# KiCad board VNA.kicad_pcb (continued)
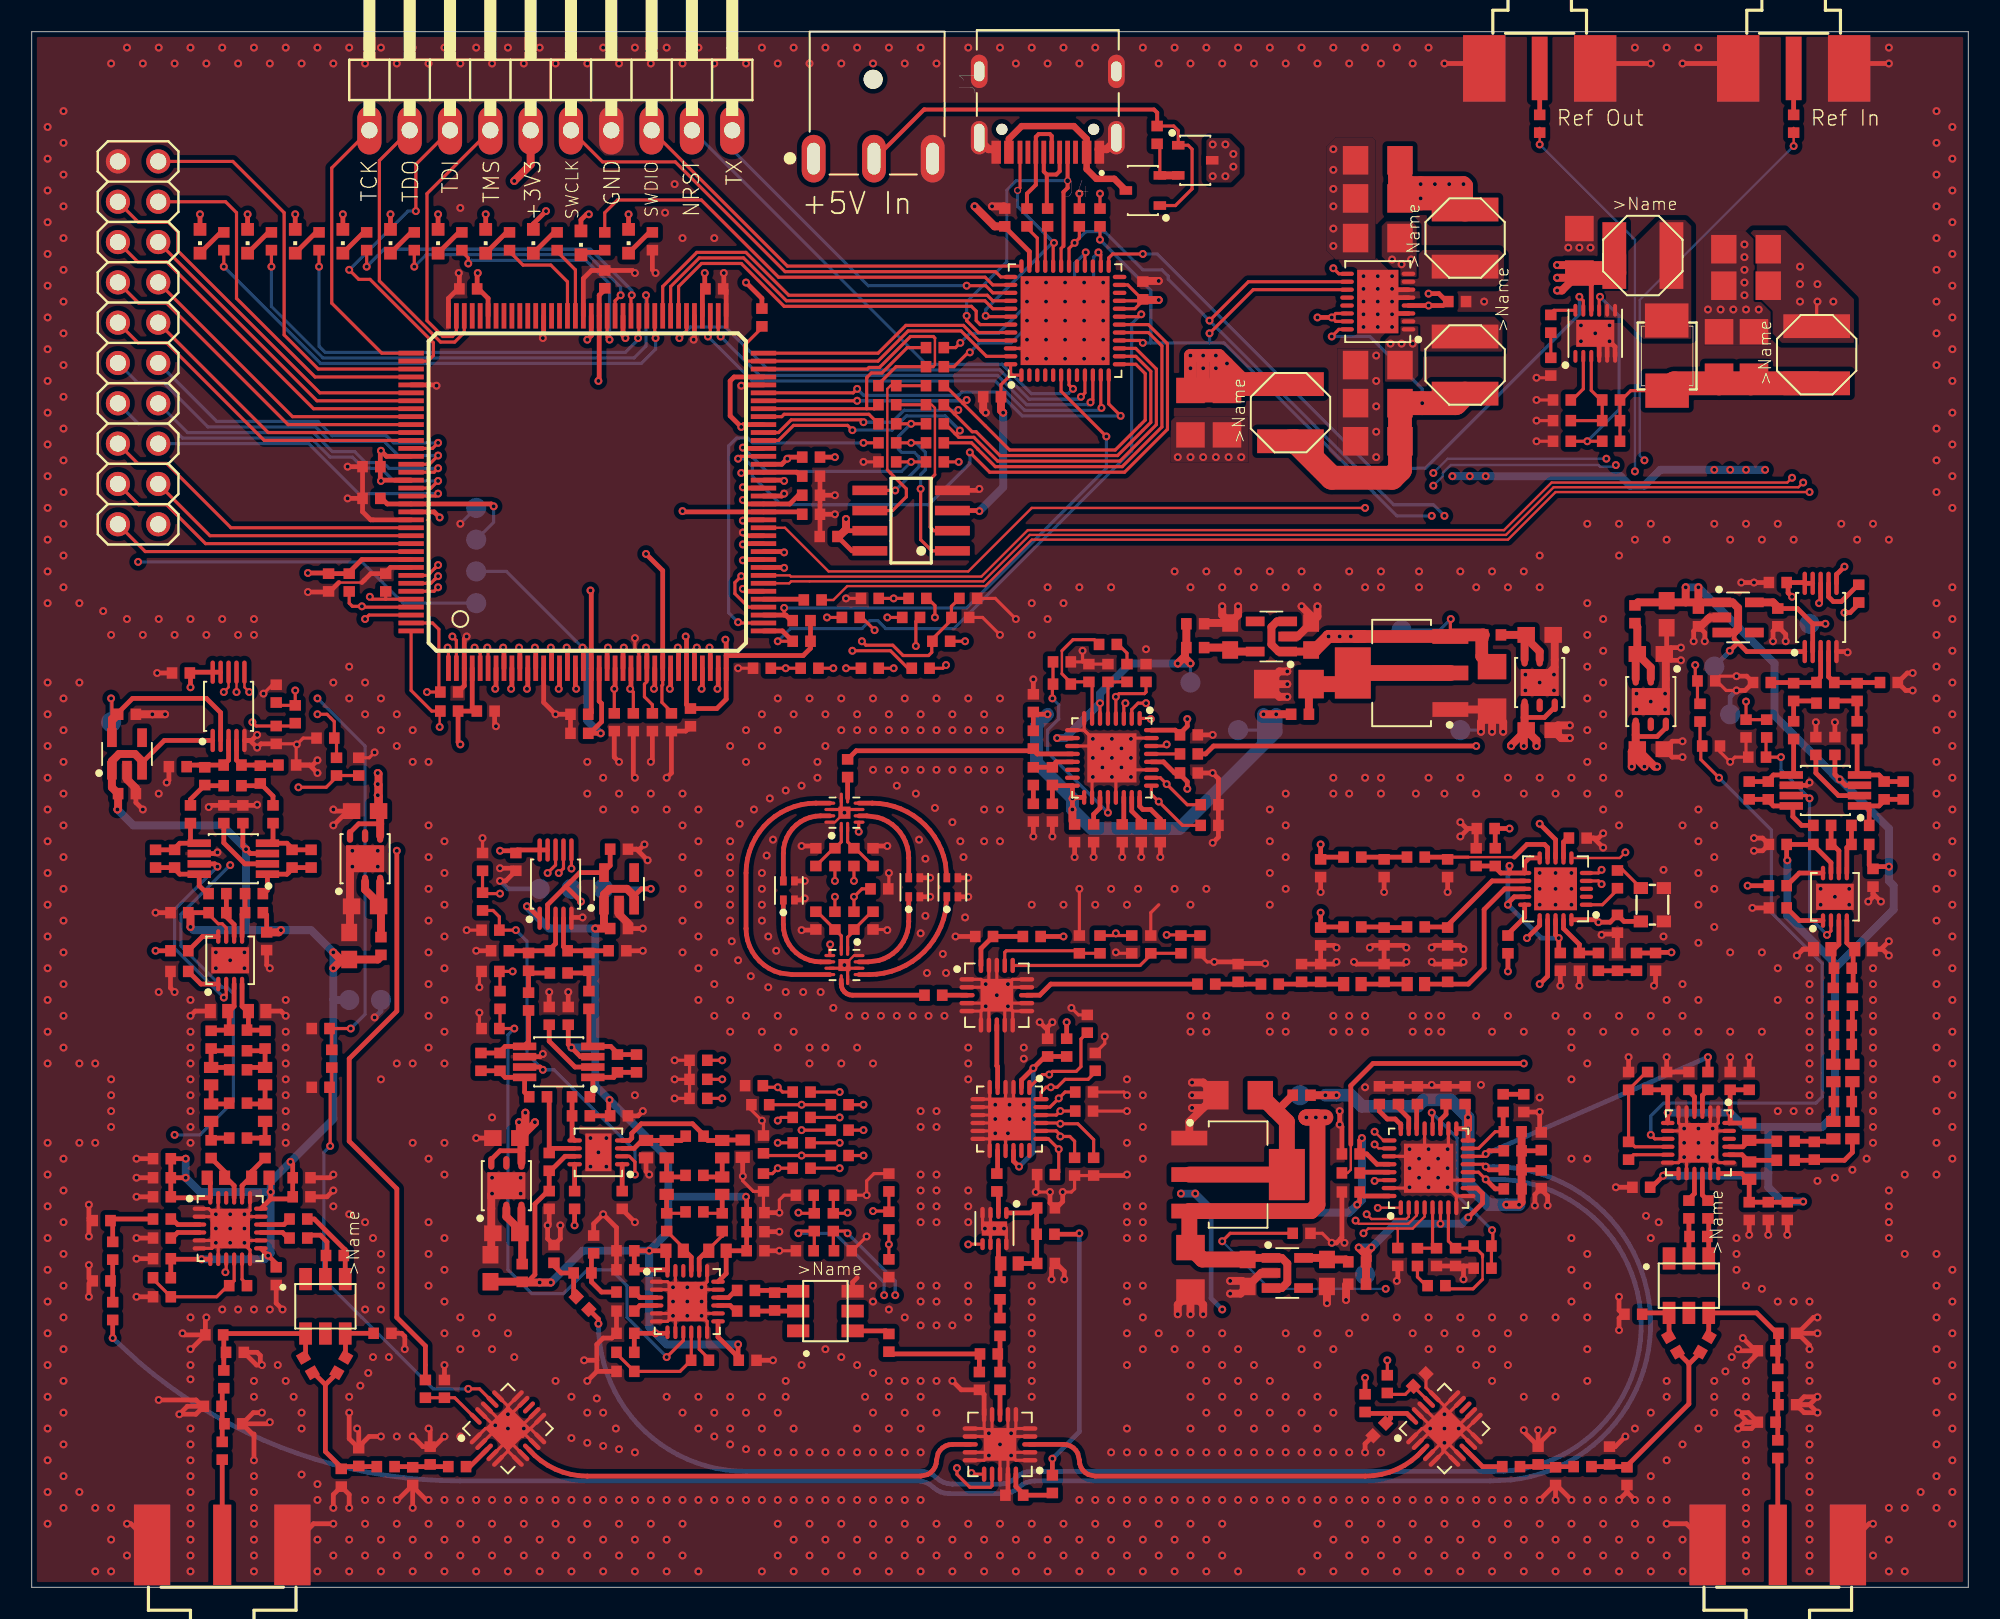
[diagram p0: board, top side]
## Routing (per net, layer and track width the routed paths; a pad name or vN(x,y) marks a point on that pad's centre or on a via; arc(x,y) is an arc through that point) (continued)
ATT_D1: length 38.6
  1_top w0.2: R157.2 v1(48.5,30.4) C251.1
  1_top w0.3: U2.P15 33.25,56.65 v1(33.2,56.6)
  3_pwr w0.15: v1(33.2,56.6) 33.5,56.3 33.5,49.84 37.47,45.87 ; 37.5,45.84 37.47,45.87 ; 37.5,45.84 37.47,45.87 ; 37.5,45.84 37.5,39.98 47.08,30.4 v1(48.5,30.4)
ATT_D2: length 39.2
  1_top w0.2: R158.2 47.2,29.6 v1(47,29.4) ; C253.1 v1(43.5,33.2)
  1_top w0.3: U2.P14 32.75,59.15 v1(32.7,59.2)
  3_pwr w0.15: v1(32.7,59.2) 32.48,58.98 32.48,50.44 37.2,45.72 37.2,39.85 43.5,33.55 v1(43.5,33.2) 47,29.7 v1(47,29.4)
ATT_D3: length 42.9
  1_top w0.2: R159.2 v1(48.5,28.8) ; C255.1 v1(43.5,32)
  1_top w0.3: U2.P12 31.75,59.15 v1(31.7,59.2)
  3_pwr w0.15: v1(31.7,59.2) 31.7,55.05 32.18,54.57 32.18,50.32 36.9,45.6 36.9,39.73 42.9,33.73 42.9,32.6 v1(43.5,32) 44.2,32 46.5,29.7 46.5,29.1 46.8,28.8 v1(48.5,28.8)
ATT_D4: length 38.8
  1_top w0.2: R162.1 v1(47,28) ; C262.1 v1(43.5,30.8)
  1_top w0.3: U2.P11 31.25,56.65 v1(31.2,56.6)
  3_pwr w0.15: v1(31.2,56.6) 31.2,55.12 31.88,54.45 31.88,50.2 36.6,45.47 36.6,39.6 42.6,33.6 42.6,31.7 v1(43.5,30.8) 46.3,28 v1(47,28)
ATT_D5: length 46.4
  1_top w0.2: R161.1 v1(48.5,27.2) 46.15,27.2
  1_top w0.3: U2.P10 30.75,59.15 v1(30.7,59.2) ; C260.1 46.1,27.25 46.15,27.2
  3_pwr w0.15: v1(30.7,59.2) 30.7,55.2 31.58,54.32 31.58,50.07 36.3,45.35 36.3,39.48 42.3,33.48 42.3,31.1 46.2,27.2 v1(48.5,27.2)
ATT_D6: length 40.7
  1_top w0.2: R160.1 v1(47,26.4) 46.66,26.06 C258.1
  1_top w0.3: U2.P9 30.25,56.65 v1(30.2,56.6)
  3_pwr w0.15: v1(30.2,56.6) 30.2,55.27 31.28,54.2 31.28,49.95 36,45.22 36,39.35 42,33.35 42,30.98 46.58,26.4 v1(47,26.4)
EN_6V: length 41.9
  1_top w0.2: IC37.25 67.85,83.75 68.1,84 v1(70,84) ; 97.75,80.45 97.75,81.05 v1(97.5,81.3)
  4_bot w0.2: v1(70,84) 70.9,84 84.4,70.5 87.8,70.5 97.5,80.2 v1(97.5,81.3)
FILT_IN_C1: length 26.6
  1_top w0.2: R21.2 v1(51.8,44.5) ; U2.P26 38.75,57.05 38.6,56.9 38.6,56.1 39.1,55.6 C263.1
  1_top w0.3: U2.P26 38.75,59.15 v1(38.7,59.2)
  3_pwr w0.15: v1(38.7,59.2) 38.7,56.4 44.8,50.3 46.6,50.3 51.8,45.1 v1(51.8,44.5)
FILT_IN_C2: length 22.6
  1_top w0.2: R20.2 v1(50.6,44.5) ; C264.1 37.9,56.4 v1(37.7,56.6)
  1_top w0.3: U2.P24 37.75,56.65 v1(37.7,56.6)
  3_pwr w0.15: v1(37.7,56.6) 38.2,56.1 38.58,56.1 44.68,50 45.4,50 46.6,48.8 47.68,48.8 50.6,45.88 v1(50.6,44.5)
FILT_OUT_C1: length 23.9
  1_top w0.2: R24.2 v1(50.6,43.5) ; C266.1 v1(36.7,56.6) 36.75,56.65
  1_top w0.3: U2.P22 36.75,56.65 v1(36.7,56.6)
  3_pwr w0.15: v1(36.7,56.6) 36.9,56.4 36.9,56.18 37.58,55.5 38.33,55.5 44.6,49.23 44.6,48.8 45.2,48.2 46.3,48.2 49.7,44.8 49.7,44.18 50.38,43.5 v1(50.6,43.5)
FILT_OUT_C2: length 27.6
  1_top w0.2: R22.2 v1(51.8,43.5) 52.3,44 C265.1
  1_top w0.3: U2.P23 37.25,59.15 v1(37.3,59.2)
  3_pwr w0.15: v1(37.3,59.2) 37.2,59.1 37.2,56.3 37.7,55.8 38.45,55.8 44.9,49.35 44.9,48.93 45.33,48.5 47.55,48.5 50,46.05 50,44.3 50.3,44 51.3,44 v1(51.8,43.5)
FPGA_CLK: length 2.4
  1_top w0.3: IC7.15 94.05,42.2 93,41.15 R126.1
HIGHBAND_SELECT: length 46.3
  1_top w0.2: C245.1 68.3,41.06 ; 68.3,41.06 R154.2 ; 68.3,41.06 v1(68.3,41.2)
  1_top w0.3: U2.P21 36.25,59.15 v1(36.3,59.2)
  3_pwr w0.15: v1(36.3,59.2) 36.2,59.1 36.2,56.4 37.4,55.2 38.2,55.2 44,49.4 44,47.8 45.2,46.6 47.48,46.6 49.4,44.68 49.4,44.03 50.53,42.9 59.4,42.9 60.3,42 64.05,42 64.42,42.38 67.13,42.38 v1(68.3,41.2)
LO1_CE: length 81
  1_top w0.15: IC21.4 87.75,23.35 87,22.6 86,22.6 ; v1(83.9,22.3) 84.2,22.6 86,22.6 ; 86,22.6 86.06,22.54 R31.2
  1_top w0.3: U2.P45 47.38,64.25 v1(47.4,64.23)
  3_pwr w0.15: v1(83.9,22.3) 77.2,22.3 75.3,24.2 75.3,57 67.5,64.8 48.2,64.8 47.63,64.23 v1(47.4,64.23)
LO1_CLK: length 80.6
  1_top w0.15: IC21.1 84.81,23.91 v1(84.8,23.9)
  1_top w0.3: U2.P48 44.85,65.75 v1(44.8,65.7)
  3_pwr w0.15: v1(44.8,65.7) 44.9,65.8 67.77,65.8 76.2,57.37 76.2,24.57 77.57,23.2 81.8,23.2 83.3,24.7 84,24.7 v1(84.8,23.9)
LO1_LD: length 73.7
  1_top w0.15: IC21.25 85.15,28.15 v1(84.6,28.7)
  1_top w0.3: U2.P56 47.35,69.75 v1(47.4,69.7)
  3_pwr w0.15: v1(84.6,28.7) 84.5,28.8 83.4,28.8 83.21,28.61 77.41,28.61 77.1,28.92 77.1,57.74 68.11,66.74 50.36,66.74 v1(47.4,69.7)
LO1_LE: length 81.8
  1_top w0.15: IC21.3 87.25,23.43 86.72,22.9 83.6,22.9 v1(83.4,23.1)
  1_top w0.3: U2.P46 44.85,64.75 v1(44.8,64.7)
  3_pwr w0.15: v1(44.8,64.7) 47.65,64.7 48.08,65.12 67.6,65.12 75.6,57.12 75.6,24.32 77.32,22.6 82.9,22.6 v1(83.4,23.1)
LO1_MOSI: length 78.7
  1_top w0.15: IC21.2 86.75,23.35 86.6,23.2 84.4,23.2 v1(84.1,23.5)
  1_top w0.3: U2.P47 47.35,65.25 v1(47.4,65.2)
  3_pwr w0.15: v1(47.4,65.2) 47.7,65.5 67.64,65.5 75.9,57.24 75.9,24.45 77.45,22.9 82.5,22.9 83.2,23.6 84,23.6 v1(84.1,23.5)
LO1_MUX: length 77.4
  1_top w0.2: IC21.30 84.65,25.65 v1(84.6,25.6)
  1_top w0.3: U2.P51 44.85,67.25 v1(44.8,67.2)
  3_pwr w0.15: v1(44.8,67.2) 47.27,67.2 48.34,66.14 67.86,66.14 76.5,57.49 76.5,26.6 76.9,26.2 84,26.2 v1(84.6,25.6)
LO1_REF: length 27.1
  1_top w0.15: 83.1,27.9 83.1,26.3 82.9,26.1 C80.1
  1_top w0.3: v1(94,33) 84.5,33 83.1,31.6 83.1,27.9 ; IC7.17 95.5,38.5 v1(95,38)
  3_pwr w0.3: v1(94,33) 95,34 v1(95,38)
LO1_RF_EN: length 76.3
  1_top w0.15: IC21.26 84.85,27.65 v1(84.6,27.9)
  1_top w0.3: U2.P55 44.85,69.25 v1(44.8,69.3)
  3_pwr w0.15: v1(44.8,69.3) 45.6,69.3 48.46,66.44 67.98,66.44 76.8,57.62 76.8,28.8 77.3,28.3 82.8,28.3 83.4,27.7 84.4,27.7 v1(84.6,27.9)
LOWBAND_SELECT: length 49.4
  1_top w0.2: C247.1 R155.2 72.39,41.06 72.35,41.1 v1(71.5,41.1)
  1_top w0.3: U2.P17 34.25,56.65 v1(34.3,56.6)
  3_pwr w0.15: v1(34.3,56.6) 35.58,56.6 37.28,54.9 38.08,54.9 43.4,49.58 43.4,46.7 43.6,46.5 44.7,46.5 45.6,45.6 46.6,45.6 48.3,43.9 49.1,43.9 50.4,42.6 54.9,42.6 55.8,41.7 64.17,41.7 64.54,42.08 65.56,42.08 66.93,40.7 71.1,40.7 v1(71.5,41.1)
MCU_AUX1: length 30.6
  1_top w0.2: U2.P78 41.25,79.15 v1(40.8,78.7) ; v1(66.1,75) 66.35,75.25 IC37.9
  4_bot w0.2: v1(40.8,78.7) 41.5,79.4 43.7,79.4 46.4,76.7 60.98,76.7 62.83,74.85 65.95,74.85 v1(66.1,75)
MCU_AUX2: length 28.3
  1_top w0.2: U2.P74 43.25,78.95 v1(43.4,78.8) ; v1(66.7,74.65) 66.85,74.8 IC37.10
  4_bot w0.2: v1(66.7,74.65) 66.55,74.5 62.69,74.5 60.84,76.35 45.85,76.35 v1(43.4,78.8)
MCU_AUX3: length 30.2
  1_top w0.2: U2.P75 42.75,78.95 v1(42.6,78.8) ; v1(67.39,74.3) 67.35,74.34 IC37.11
  4_bot w0.2: v1(42.6,78.8) 45.4,76 60.69,76 62.54,74.15 67.24,74.15 v1(67.39,74.3)
MCU_FPGA_UNUSED1: length 25.3
  1_top w0.2: IC37.43 59.75,79.55 59.5,79.8 59.5,80.4 59.2,80.7 47.4,80.7 44.7,83.4 42.2,83.4 40.75,81.95 U2.P79
MCU_FPGA_UNUSED2: length 25.3
  1_top w0.2: IC37.41 60.55,80.55 60.05,81.05 47.54,81.05 44.84,83.75 42.06,83.75 40.25,81.94 U2.P80
MCU_FPGA_UNUSED3: length 25.9
  1_top w0.2: IC37.40 60.54,81.05 60.19,81.4 47.69,81.4 44.99,84.1 41.9,84.1 39.75,81.95 U2.P81
PORT1_CONVSTART: length 17.8
  1_top w0.15: IC26.6 13.4,56.7 v1(13.7,56.4)
  1_top w0.2: U2.P139 25.35,62.75 v1(25.6,63)
  3_pwr w0.2: v1(25.6,63) 20.3,63 v1(13.7,56.4)
PORT1_SCLK: length 20.2
  1_top w0.15: IC26.8 12.4,56.7 v1(12.1,56.4)
  1_top w0.2: U2.P137 24.95,63.75 25.1,63.9 25.1,63.91 25.39,64.2 25.4,64.2 v1(25.6,64.4)
  3_pwr w0.2: v1(25.6,64.4) 20.1,64.4 v1(12.1,56.4)
PORT1_SDO: length 18.9
  1_top w0.15: IC26.7 v1(12.9,56.4)
  1_top w0.2: U2.P138 25.14,63.25 25.39,63.5 25.4,63.5 v1(25.6,63.7)
  3_pwr w0.2: v1(25.6,63.7) 20.2,63.7 v1(12.9,56.4)
PORT1LO1: length 124.9
  1_top w0.2: IC21.13 91.45,26.65 v1(91.6,26.5)
  1_top w0.3: R33.1 91.8,26.3 v1(91.6,26.5) ; C269.1 v1(5.1,15.7)
  4_bot w0.3: v1(91.6,26.5) 92.09,26.5 92.73,26.48 93.36,26.42 93.99,26.32 94.62,26.17 95.23,25.99 95.83,25.77 96.41,25.51 96.98,25.21 97.52,24.88 98.04,24.51 98.54,24.11 99.01,23.68 99.45,23.22 99.87,22.73 100.24,22.22 100.59,21.68 100.9,21.12 101.17,20.54 101.41,19.95 101.6,19.34 101.76,18.72 101.88,18.09 101.95,17.46 101.99,16.82 101.98,16.18 101.94,15.55 101.85,14.92 101.72,14.29 101.55,13.67 101.34,13.07 101.09,12.48 100.81,11.91 100.49,11.36 100.13,10.83 99.75,10.32 99.33,9.84 98.87,9.39 98.4,8.97 97.89,8.57 97.36,8.22 96.81,7.9 96.24,7.61 95.65,7.36 95.05,7.15 94.43,6.98 93.81,6.85 93.18,6.76 91.9,6.7 63.2,6.7 62.93,6.67 62.66,6.6 62.42,6.47 61.98,6.13 61.74,6 61.47,5.93 61.2,5.9 57.8,5.9 57.53,5.93 57.26,6 57.02,6.13 56.58,6.47 56.34,6.6 56.07,6.67 55.8,6.7 26.97,6.7 25.82,6.72 24.66,6.79 23.51,6.89 22.37,7.04 21.23,7.24 20.1,7.47 18.98,7.75 17.87,8.06 16.77,8.42 15.68,8.82 14.61,9.26 13.56,9.74 12.53,10.26 11.52,10.82 10.53,11.41 9.56,12.04 8.61,12.7 7.69,13.4 6.8,14.14 v1(5.1,15.7)
PORT1LO2: length 120.5
  1_top w0.3: C98.1 v1(7.8,40.1) ; v1(81.2,46.8) C46.1 81.2,45.95 81.25,46 R177.2
  3_pwr w0.3: v1(81.2,46.8) 86,42 86,21 85,20 30,20 17,33 17,37 16,38 9.9,38 v1(7.8,40.1)
PORT1MIX1_EN: length 44.2
  1_top w0.2: IC24.9 12.25,19.9 v1(12.2,19.85) ; v1(16.8,50.4) 18.55,50.4 19.29,51.14 19.3,51.14 ; R146.2 19.3,51.14 ; 19.3,51.14 C230.1
  3_pwr w0.2: v1(12.2,19.85) 12.2,20.1 9,23.3 v1(9,28.5) ; v1(12.5,45.5) 12.5,46.5 16.4,50.4 v1(16.8,50.4)
  4_bot w0.2: v1(12.5,45.5) 9.4,42.39 9.4,40.4 12,37.8 12.3,37.8 12.7,37.4 12.7,30.6 10.6,28.5 v1(9,28.5)
PORT1MIX2_EN: length 26.2
  1_top w0.2: IC22.2 12.25,37.3 v1(12.1,37.15) ; v1(13.9,54.5) 14.14,54.26 C228.1 16.42,54.26 R145.1
  1_top w0.3: IC23.7 11.53,45.58 v1(11.7,45.4)
  3_pwr w0.2: v1(11.7,45.4) 11.1,46 11.1,47.1 13.5,49.5 13.5,54.1 v1(13.9,54.5)
  4_bot w0.2: v1(11.7,45.4) 9,42.7 9,40.25 v1(12.1,37.15)
PORT1SRC: length 1.8
  1_top w0.3: IC18.3 27.6,7.6 C96.1
PORT1SWITCH: length 34.4
  1_top w0.2: U2.P142 21.25,61.25 v1(21,61) ; v1(20.1,35.2) C241.1 18.9,35.06 R152.2
  3_pwr w0.2: v1(18,56) 18,57.9 21,60.9 v1(21,61)
  4_bot w0.2: v1(20.1,35.2) 21,36.1 21,53 v1(18,56)
PORT2_CONVSTART: length 77.3
  1_top w0.15: U2.P44 47.75,63.75 47.83,63.68 59.83,63.68 62.75,66.6 92.75,66.6 95.75,69.6 110.6,69.6 v1(110.9,69.9)
  1_top w0.3: IC31.6 113.7,63.8 v1(114.2,64.3)
  3_pwr w0.15: v1(110.9,69.9) 111.08,70.08 112.05,70.08 112.78,69.35 112.78,68.45 112.6,68.28 112.6,64.8 113.1,64.3 v1(114.2,64.3)
PORT2_SCLK: length 73.6
  1_top w0.15: v1(112,69) 96,69 93,66 63,66 60.08,63.08 51.38,63.08 50.5,62.2 R124.1
  1_top w0.3: IC31.8 112.7,62.1 v1(112.6,62)
  3_pwr w0.15: v1(112,69) 112,62.6 v1(112.6,62)
PORT2_SDO: length 3.4
  1_top w0.3: IC31.7 113.2,62.4 113.5,62.1 114,62.1 115.1,63.2 R123.1
PORT2LO1: length 18.6
  1_top w0.2: IC21.14 91.45,27.15 v1(91.6,27.3)
  1_top w0.3: C151.1 v1(105.6,33.4) ; R34.1 91.8,27.5 v1(91.6,27.3)
  4_bot w0.3: v1(105.6,33.4) v1(91.6,27.3)
PORT2LO2: length 10.1
  1_top w0.3: v1(103.3,40) 102.35,40 102.31,39.96 C44.1 R181.2 ; v1(108.1,44.2) C135.1
  3_pwr w0.3: v1(103.3,40) 107.5,44.2 v1(108.1,44.2)
PORT2MIX1_EN: length 40.6
  1_top w0.2: IC29.9 102.25,28.25 v1(102,28.5) ; v1(106.3,51) 105.15,52.15 105.15,52.91 C233.1 105.1,53.14 R148.1
  4_bot w0.2: v1(102,28.5) 102,29.7 102.8,30.5 112.4,30.5 112.8,30.9 112.8,39.3 109.6,42.5 109.6,47.7 v1(106.3,51)
PORT2MIX2_EN: length 16.8
  1_top w0.2: IC28.7 111.83,49.88 v1(112,49.7) ; IC27.2 113.35,41.35 v1(113.1,41.1) ; v1(110.2,52.3) C231.1 109.26,53.5 R147.2
  4_bot w0.2: v1(113.1,41.1) 112,42.2 v1(112,49.7) 110.2,51.5 v1(110.2,52.3)
PORT2SRC: length 2.8
  1_top w0.3: IC17.8 91.4,7.6 C133.1
PORT2SWITCH: length 94
  1_top w0.2: U2.P40 45.15,61.75 44.3,62.6 44.3,63.3 v1(44.7,63.7) ; R149.2 v1(85.4,14.3) ; C235.1 75.5,22.3 v1(75,21.8)
  3_pwr w0.15: v1(75,21.8) 75,56.87 67.37,64.5 48.4,64.5 47.6,63.7 v1(44.7,63.7) ; v1(85.3,18.8) 85.4,18.7 v1(85.4,14.3)
  4_bot w0.15: v1(75,21.8) 78,18.8 v1(85.3,18.8)
PORTSWITCH1: length 53.1
  1_top w0.2: U2.P6 28.75,59.15 v1(28.7,59.2) ; v1(51.4,23.6) 51.36,23.56 R151.2 50.5,24.66 C239.1
  3_pwr w0.15: v1(28.7,59.2) 28.7,55.5 30.38,53.83 30.38,49.57 34.48,45.47 34.48,44.38 33.8,43.7 33.8,40.25 39.9,34.15 39.9,28.9 45.8,23 50.8,23 v1(51.4,23.6)
PORTSWITCH2: length 45
  1_top w0.2: v1(48.3,23.6) 48.34,23.56 R150.2 49.29,23.57 49.29,24.67 C237.1
  1_top w0.3: U2.P7 29.25,56.65 v1(29.2,56.6)
  3_pwr w0.15: v1(29.2,56.6) 29.2,55.42 30.68,53.95 30.68,49.7 34.78,45.6 34.78,44.25 34.16,43.64 34.16,43.43 34.12,43.4 34.12,40.35 41.4,33.08 41.4,30.48 48.28,23.6 v1(48.3,23.6)
REF_CONVSTART: length 19.1
  1_top w0.2: IC35.6 v1(34,45.28) ; U2.P5 28.25,58.85 v1(27.9,59.2)
  3_pwr w0.15: v1(27.9,59.2) 28.4,58.7 28.4,55.38 28.64,55.14 28.64,54.16 30.08,52.73 30.08,49.45 34,45.53 v1(34,45.28)
REF_SCLK: length 19.8
  1_top w0.2: IC35.8 33,45.5 v1(32.5,45) ; U2.P1 26.25,59.15 v1(26.2,59.2)
  3_pwr w0.15: v1(26.2,59.2) 27.8,57.6 27.8,55.13 28.04,54.89 28.04,53.91 29.48,52.48 29.48,49.2 32.5,46.18 v1(32.5,45)
REF_SDO: length 21.4
  1_top w0.2: IC35.7 33.5,45.29 v1(33.2,45) ; U2.P2 26.75,59.65 v1(26.5,59.9)
  3_pwr w0.15: v1(26.5,59.9) 28.1,58.3 28.1,55.25 28.34,55.01 28.34,54.04 29.78,52.6 29.78,49.33 33.2,45.9 v1(33.2,45)
REFLO1: length 95.5
  1_top w0.2: IC21.12 91.15,26.15 v1(91.6,25.7)
  1_top w0.3: R32.1 92.2,25.1 v1(91.6,25.7) ; C270.1 35.7,16.9 v1(35.7,16.6)
  4_bot w0.3: v1(91.6,25.7) 92.19,25.7 92.81,25.68 93.42,25.62 94.03,25.51 94.63,25.37 95.22,25.19 95.8,24.97 96.36,24.7 96.9,24.41 97.42,24.07 97.91,23.71 98.38,23.31 98.82,22.88 99.24,22.42 99.62,21.93 99.97,21.42 100.28,20.89 100.55,20.34 100.79,19.77 100.99,19.19 101.15,18.59 101.27,17.99 101.35,17.38 101.39,16.76 101.39,16.14 101.34,15.53 101.26,14.92 101.13,14.31 100.96,13.72 100.76,13.14 100.51,12.57 100.23,12.02 99.91,11.49 99.56,10.99 99.17,10.51 98.76,10.05 98.31,9.63 97.84,9.23 97.34,8.87 96.81,8.54 96.27,8.25 95.71,8 95.13,7.78 94.54,7.6 93.94,7.47 93.33,7.37 92.71,7.31 92.1,7.3 63,7.3 62.73,7.27 62.46,7.2 62.22,7.07 61.78,6.73 61.54,6.6 61.27,6.53 61,6.5 58,6.5 57.73,6.53 57.46,6.6 57.22,6.73 56.78,7.07 56.54,7.2 56.27,7.27 56,7.3 45,7.3 44.37,7.32 43.73,7.39 43.11,7.49 42.49,7.64 41.89,7.84 41.29,8.07 40.72,8.34 40.17,8.65 39.64,9 39.13,9.39 38.65,9.8 38.2,10.25 37.79,10.73 37.4,11.24 37.05,11.77 36.74,12.32 36.47,12.89 36.24,13.49 36.04,14.09 35.89,14.71 35.79,15.33 35.72,15.97 v1(35.7,16.6)
REFLO2: length 78.9
  1_top w0.3: v1(81.2,42.5) C45.1 81.24,41.6 R178.2 ; v1(34.2,22.8) C200.1
  3_pwr w0.3: v1(81.2,42.5) 85.5,38.2 85.5,21.5 84.5,20.5 36.5,20.5 v1(34.2,22.8)
REFMIX1_EN: length 34.3
  1_top w0.2: IC33.9 41.05,15.55 v1(40,14.5) ; v1(30.4,35.2) C226.1 ; 29.5,35.25 R144.2
  1_top w0.3: C226.1 29.5,35.24 29.5,35.25
  4_bot w0.2: v1(40,14.5) 37.5,17 37.5,19 36.5,20 35,20 33.5,18.5 31.5,18.5 30,20 30,34.8 v1(30.4,35.2)
REFMIX2_EN: length 25
  1_top w0.2: IC36.2 37.65,27.15 38,26.8 v1(38,26) ; v1(30.5,41.4) C224.1 29.46,42.24 29.06,42.64 R143.1
  1_top w0.3: IC32.7 32.03,32.78 v1(32.2,32.6)
  4_bot w0.2: v1(38,26) 38,27.5 32.9,32.6 v1(32.2,32.6) 31.2,33.6 31.2,40.7 v1(30.5,41.4)
REFSRC: length 7
  1_top w0.3: R28.2 59.7,14.65 59.74,14.69 R27.1 54.05,14.7 54,14.75 C170.1
SCL: length 72.8
  1_top w0.2: IC7.4 98.7,44.5 v1(98.9,44.3) ; IC37.16 69.85,78.55 v1(70,78.4) ; R116.1 v1(67.3,84.9) ; IC2.11 76.95,81.75 v1(74.2,79)
  3_pwr w0.15: v1(98.9,44.3) 98.6,44.3 97.3,45.6 96.2,45.6 88.2,53.6 v1(88.2,67.5)
  4_bot w0.2: v1(88.2,67.5) 86.01,67.5 84.55,68.95 75.11,78.4 74.2,78.4 ; 74.2,78.4 70.5,78.4 ; 74.2,78.4 v1(74.2,79) ; 70.5,78.4 v1(70,78.4) ; 70.5,78.4 70.5,81.7 v1(67.3,84.9)
SDA: length 72.5
  1_top w0.2: IC7.5 98.7,45 v1(98.9,45.2) ; IC37.30 65.35,84.35 v1(65.7,84.7) 66,85 R117.1 ; IC2.10 76.65,82.25 v1(74.2,79.8)
  3_pwr w0.15: v1(89,67.5) 88.5,67 88.5,53.72 96.32,45.9 97.42,45.9 98.12,45.2 v1(98.9,45.2)
  4_bot w0.2: v1(65.7,84.7) 66.4,85.4 67.6,85.4 70,83 71.2,83 71.6,82.6 71.6,82.4 v1(74.2,79.8) 85.8,68.2 88.3,68.2 v1(89,67.5)
SOURCE_CE: length 24.9
  1_top w0.2: 56.65,59.65 56.75,59.75 ; 56.75,59.75 56.7,59.7 56.7,58.9 56.5,58.7 54.89,58.7 54.24,59.35 52.55,59.35 v1(52.3,59.6) ; 56.75,59.75 57.94,60.94 R11.2 57.94,61.8 C267.1
  1_top w0.3: U2.P27 39.25,56.65 v1(39.2,56.6) ; R163.2 56.69,59.65 56.65,59.65
  3_pwr w0.15: v1(39.2,56.6) 39.7,57.1 41.58,57.1 43.18,58.7 50.45,58.7 51.35,59.6 v1(52.3,59.6)
SOURCE_CLK: length 11.3
  1_top w0.2: R164.2 v1(50.1,61.1)
  1_top w0.3: U2.P32 41.75,59.05 v1(41.9,59.2)
  3_pwr w0.15: v1(41.9,59.2) 43,60.3 49.3,60.3 v1(50.1,61.1)
SOURCE_HIGHBAND: length 1.6
  1_top w0.3: C68.2 IC13.3
SOURCE_LD: length 8
  1_top w0.2: C273.1 v1(47.5,57.9) R166.2
  1_top w0.3: U2.P35 43.25,56.65 v1(43.2,56.6)
  3_pwr w0.15: v1(43.2,56.6) 44,56.6 45.3,57.9 v1(47.5,57.9)
SOURCE_LE: length 18
  1_top w0.2: R171.2 55.2,57.9 54.1,59 v1(51.7,59)
  1_top w0.3: U2.P29 40.25,56.65 v1(40.2,56.6)
  3_pwr w0.15: v1(40.2,56.6) 41.5,56.6 43.3,58.4 50.58,58.4 51.18,59 v1(51.7,59)
SOURCE_LOWBAND: length 11.1
  1_top w0.3: IC13.13 63.5,37.3 64.2,38 C48.1
SOURCE_MOSI: length 17.2
  1_top w0.2: R170.2 v1(53.9,61.1)
  1_top w0.3: U2.P30 40.75,59.15 v1(40.7,59.2)
  3_pwr w0.15: v1(40.7,59.2) 41.2,59.2 43.3,61.3 44.8,61.3 45.5,60.6 48.9,60.6 49.9,61.6 50.3,61.6 50.8,61.1 v1(53.9,61.1)
SOURCE_MUX: length 12.3
  1_top w0.2: R167.2 v1(51.3,57.9)
  1_top w0.3: U2.P33 42.25,56.65 v1(42.2,56.6)
  3_pwr w0.15: v1(42.2,56.6) 42.7,56.1 44,56.1 45.3,57.4 50.8,57.4 v1(51.3,57.9)
SOURCE_REF: length 27
  1_top w0.3: C51.1 73.95,52.5 74.45,53 v1(91,53) ; IC7.8 96,47.1 v1(95,48.1)
  3_pwr w0.3: v1(91,53) 91,51.8 94.7,48.1 v1(95,48.1)
SOURCE_RF_EN: length 17.7
  1_top w0.2: C271.1 v1(54.3,62.3) R165.2
  1_top w0.3: U2.P34 42.75,59.15 v1(42.7,59.2)
  3_pwr w0.15: v1(42.7,59.2) 43,59.2 43.2,59 50.33,59 52.13,60.8 53.4,60.8 53.7,60.5 54.2,60.5 54.5,60.8 54.5,62.1 v1(54.3,62.3)
USB_POWER: length 11.3
  1_top w0.406: 68.93,88 68.2,88.73 67.07,88.73 66.46,89.35 66.46,90.48 ; 61.56,90.48 61.56,91.25 62.36,92.05 65.65,92.05 66.46,91.25 66.46,90.47
Net-(C4-Pad2): length 3.1
  1_top w0.2: IC1.2 97.75,75.5 97.05,74.8 C4.2
Net-(C5-Pad2): length 1.6
  1_top w0.2: C5.2 R1.1
Net-(C9-Pad2): length 6.4
  1_top w0.2: IC1.3 98.25,75.4 98.85,74.8 C9.2 R4.1 R5.2
Net-(C11-Pad1): length 25.7
  1_top w0.2: v1(81.9,78.8) 82.35,79.25 IC2.16
  1_top w1.5: L3.P$2 89.7,74.6 v1(87.6,74.6) C8.1 C11.1 86.2,70.4 85.7,69.9 81.9,69.9 79.6,72.2 L4.P$1
  4_bot w0.2: v1(87.6,74.6) 87.6,75.5 84.3,78.8 v1(81.9,78.8)
Net-(C12-Pad1): length 16.4
  1_top w0.2: R2.2 R4.2 C9.1 100.15,74.8 100.74,75.39 D1.C
  1_top w1.5: L5.P$1 108.3,75.85 ; 108.3,75.85 106.3,75.85 ; 108.3,75.85 108.3,76.1 C12.1 ; 106.3,75.85 103.49,75.85 D1.C ; 106.3,75.85 C13.1
Net-(C16-Pad1): length 76.1
  1_top w0.2: L5.P$2 112.45,80.95 v1(112.5,81)
  1_top w0.3: IC3.6 20.05,47.55 20.6,48.1 21.95,48.1 ; IC6.6 95.95,55.45 95.3,54.8 94.05,54.8 ; IC5.6 28.95,26.95 29.5,27.5 30.85,27.5 ; IC4.6 102.95,54.15 102.4,53.6 101.15,53.6 101.05,53.7
  1_top w0.5: C18.2 21.95,48.8 IC3.4 ; C18.2 21.85,49.85 v1(21.8,49.9) ; C18.2 21.85,50.55 v1(21.8,50.6) ; C18.2 21.85,51.25 v1(21.8,51.3) ; IC5.4 30.85,28.2 C20.2 ; C20.2 30.75,29.25 v1(30.7,29.3) ; C20.2 31.1,28.65 v1(31.1,29.9) ; C20.2 31.7,29.25 v1(31.7,29.3) ; IC6.4 94.05,54.1 C21.2 ; C21.2 94,53.85 v1(94,53) ; C21.2 94.8,53.35 v1(94.8,53) ; C21.2 93.2,53.05 v1(93.2,53) ; IC4.4 101.05,52.9 ; 101.05,52.9 C19.2 ; 101.05,52.9 100.8,52.65 v1(100.8,51.7) ; C19.2 102.25,51.7 v1(102.4,51.7) ; C19.2 101.15,52.15 v1(101.6,51.7)
  3_pwr w1: v1(31.7,29.3) v1(31.1,29.9) 31.1,29.7 v1(30.7,29.3) v1(31.7,29.3)
  3_pwr w1.5: v1(31.1,29.9) 28,33 ; 17.6,43.4 17.6,49.23 18.97,50.6 v1(21.8,50.6) ; v1(21.8,51.3) v1(21.8,49.9)
  4_bot w0.2: TP3.TP 23.4,62 20.8,64.6 v1(6.7,64.6)
  vias: v1(111.4,83.2) v1(111.4,82.1) v1(111.4,81) v1(112.5,82.1) v1(113.5,81)
Net-(C22-Pad2): length 5.5
  1_top w0.5: IC3.3 21.95,43 ; 21.95,43 C22.2 ; 21.95,43 21,43.95 IC3.2 ; 21.95,43 22,42.95 L6.1
Net-(C23-Pad2): length 5.5
  1_top w0.5: IC4.3 101.05,58.7 C23.2 ; C23.2 102,57.95 IC4.2 ; C23.2 101.15,60.5 101,60.65 L7.1
Net-(C24-Pad2): length 5.5
  1_top w0.5: IC5.3 30.85,22.4 ; 30.85,22.4 C24.2 ; 30.85,22.4 29.9,23.35 IC5.2 ; 30.85,22.4 30.9,22.35 L8.1
Net-(C25-Pad2): length 5
  1_top w0.5: IC6.3 94.05,59.9 ; 94.05,59.9 C25.2 ; 94.05,59.9 95,58.95 IC6.2 ; 94.05,59.9 93.95,60 L9.1
Net-(C30-Pad1): length 2.7
  1_top w0.3: 111,93.06 111,95.78
Net-(C30-Pad2): length 59.3
  1_top w0.15: IC7.6 100.05,45.95 v1(100.4,46.3) ; v1(111,90.8) 111,91.94
  3_pwr w0.15: v1(100.4,46.3) 100.7,46.6 100.7,48.1 106.2,53.6 106.2,64.68 101.08,69.8 100.7,69.8 100.4,70.1 100.4,70.6 100.8,71 v1(101.6,71)
  4_bot w0.15: v1(101.6,71) 101.3,71.3 101.3,81.1 v1(111,90.8)
Net-(C32-Pad2): length 15.6
  1_top w0.3: IC7.18 96,41.1 v1(96.2,40.9) 96.2,40.15 96.3,40.05 C33.2 ; IC7.10 94.35,45.95 94.05,45.65 IC7.11 93.1,45 ; 93.1,45 92.55,45 92.2,45.35 L10.2 C32.2 ; 93.1,45 v1(93.1,45.45) ; IC7.14 93.4,43.5 93,43.1 v1(93,43)
  4_bot w0.3: v1(96.2,40.9) 95.1,40.9 v1(93,43) 93,45.35 v1(93.1,45.45)
Net-(C34-Pad1): length 2.4
  1_top w0.2: IC7.1 98.95,43 99.9,43.95 C34.1
Net-(C34-Pad2): length 2
  1_top w0.2: Y1.3 100.17,45.25 99.99,45.25 C34.2
Net-(C35-Pad1): length 3.7
  1_top w0.3: IC7.19 96.5,41.5 97.5,40.5 C35.1 R180.1
Net-(C36-Pad1): length 7.8
  1_top w0.3: IC7.12 92,44.5 89.2,41.7 ; 89.2,41.7 C36.1 ; 89.2,41.7 C36.1 ; C36.1 88.94,41.56 88.9,41.6 R179.1
Net-(C37-Pad1): length 8.9
  1_top w0.15: 93.4,46 90.5,46
  1_top w0.2: 90.5,46 89.4,46
  1_top w0.3: IC7.9 95.5,46.6 95.3,46.8 94.2,46.8 93.4,46 ; 89.4,46 89.2,46 ; 89.2,46 R176.1 ; 89.2,46 C37.1
Net-(C38-Pad1): length 11.1
  1_top w0.3: IC7.13 92.8,44 91.5,42.7 91.5,39 90.5,38 89.2,38 ; 89.2,38 L14.1 ; 89.2,38 C38.1
Net-(C39-Pad1): length 63.8
  1_top w0.15: v1(95,90.9) 95,91.94
  1_top w0.3: IC7.16 95,41.7 v1(94.2,40.9)
  3_pwr w0.15: v1(94.2,40.9) 94.8,41.5 97.3,41.5 101,45.2 101,47.97 106.5,53.47 106.5,64.8 v1(101,70.3)
  4_bot w0.15: v1(101,70.3) 101,84.9 v1(95,90.9)
Net-(C39-Pad2): length 2.7
  1_top w0.3: 95,93.06 95,95.78
Net-(C40-Pad1): length 2.4
  1_top w0.3: R181.1 C40.1 R180.2
Net-(C41-Pad1): length 2.9
  1_top w0.2: C41.1 85.19,41.56 85.15,41.6
  1_top w0.3: 85.15,41.6 R178.1 ; R179.2 86.6,41.56 C41.1
Net-(C42-Pad1): length 3
  1_top w0.3: R177.1 85.2,46 ; 85.2,46 R176.2 ; 85.2,46 C42.1
Net-(C43-Pad1): length 3
  1_top w0.3: L14.2 85.2,38 ; 85.2,38 L18.1 ; 85.2,38 C43.1
Net-(C47-Pad1): length 4.4
  1_top w0.2: C47.1 81.2,38
  1_top w0.3: L18.2 80,38 ; 80,38 R8.1 ; 80,38 R7.1
Net-(C48-Pad2): length 3
  1_top w0.2: R9.2 76,38
  1_top w0.3: R8.2 C48.2
Net-(C51-Pad2): length 1.8
  1_top w0.2: IC10.29 C51.2
Net-(C52-Pad1): length 3.3
  1_top w0.5: IC9.5 75.6,58.95 C52.1 75.35,59.2 L20.1
Net-(C53-Pad1): length 12.2
  1_top w0.5: L19.1 80.46,57.24 80.3,57.4 80.3,57.2 C53.1
  1_top w1: IC8.2 IC8.4 82.53,56.9 C53.1
Net-(C56-Pad1): length 37.3
  1_top w0.3: 65.56,49.8 IC10.16 64.35,50.5 64.31,50.54 R13.2 C61.1 ; 65.56,49.8 v1(65.56,49) ; 65.56,49.8 65.6,49.76 IC10.17 ; R12.2 C64.1 63.24,55 v1(64,55) ; C56.1 65.7,48.15 65.56,48.29
  1_top w0.5: L19.2 v1(78.4,55) v1(77.6,55) ; 65.56,48.29 v1(65.56,49)
  4_bot w0.2: TP14.TP 77.6,54
  4_bot w0.8: v1(64,55) 63.3,54.3 63.3,51.96 v1(65.56,49.7) v1(65.56,49) 66.76,47.8 72.3,47.8 77.6,53.1 ; 77.6,53.1 v1(77.6,55) ; 77.6,53.1 78.4,53.9 v1(78.4,55)
Net-(C58-Pad1): length 2.5
  1_top w0.3: IC10.24 69.8,49.2 70,49 70.5,49 71.1,48.4 C58.1
Net-(C59-Pad1): length 1.9
  1_top w0.3: IC10.19 67.3,49.1 66.9,48.7 C59.1
Net-(C60-Pad1): length 2
  1_top w0.3: IC10.23 69.3,48.9 69.9,48.3 C60.1
Net-(C62-Pad1): length 1.2
  1_top w0.3: C62.1 R14.2
Net-(C62-Pad2): length 2.7
  1_top w0.3: IC10.13 64.55,52 64.3,51.75 R13.1 C62.2
Net-(C63-Pad1): length 8.7
  1_top w0.15: 64.9,59 64.9,57.55
  1_top w0.2: 64.9,59 65.6,59.7 66.94,59.7 C66.1 ; 64.9,57.55 65.46,56.99 R15.1 65.6,57.04 C63.1 66.8,56.84 IC10.7
Net-(C65-Pad1): length 14.6
  1_top w0.3: IC10.12 63.35,52.5 63.1,52.75 R12.1 62.96,52.7 51.94,52.7 C65.1
Net-(C65-Pad2): length 1.3
  1_top w0.3: C65.2 IC11.7
Net-(C66-Pad2): length 1.6
  1_top w0.2: R16.1 69,58.85 68.45,59.4 C66.2
Net-(C67-Pad2): length 12.5
  1_top w0.2: IC10.20 v1(67.8,48.8) ; C67.2 R15.2 64.3,56.86 v1(64.3,56)
  4_bot w0.2: v1(67.8,48.8) 64,52.6 64,54 64.7,54.7 64.7,55.6 v1(64.3,56)
Net-(C68-Pad1): length 5.9
  1_top w0.3: IC12.7 51,38 51.02,37.82 51.09,37.65 51.21,37.51 51.35,37.39 51.52,37.32 51.7,37.3 C68.1
Net-(C69-Pad1): length 4
  1_top w0.3: L21.2 C69.1 59.8,40.24 IC13.20
Net-(C70-Pad1): length 11.7
  1_top w0.2: C70.1 63.91,33.35 63.75,33.35
  1_top w0.3: IC14.2 62.35,31.95 v1(63.1,32.7) 63.75,33.35 ; C70.1 L22.2 ; IC14.16 61.85,26.85 v1(62.2,26.5)
  4_bot w0.3: v1(62.2,26.5) 63.1,27.4 v1(63.1,32.7)
Net-(C71-Pad1): length 1.5
  1_top w0.3: IC14.14 60.85,26.2 C71.1
Net-(C71-Pad2): length 1.4
  1_top w0.3: IC15.2 60.9,24.75 C71.2
Net-(C72-Pad1): length 6.8
  1_top w0.3: L24.1 C73.1 63.31,20.43 L23.2 63.31,23.78 ; IC15.1 62.93,23.58 63.22,23.87 63.31,23.78 ; 63.31,23.78 63.31,23.87 C72.1
Net-(C74-Pad1): length 2.5
  1_top w0.3: IC15.7 60.9,20.45 L24.2 61,20.35 C74.1
Net-(C74-Pad2): length 1.2
  1_top w0.3: C74.2 R26.1
Net-(C75-Pad1): length 3.6
  1_top w0.3: IC16.20 62,6.35 62.55,5.8 62.6,5.8 ; C75.1 62.6,5.8 ; 62.6,5.8 64.25,5.8 64.25,5.89 L25.1
Net-(C76-Pad1): length 3.7
  1_top w0.2: IC18.20 26.65,11.94 C76.1 L27.2
Net-(C77-Pad1): length 3.9
  1_top w0.3: IC17.20 86.64,10.95 85.6,10.95 ; 85.6,10.95 85.6,10.64 C77.1 ; 85.6,10.95 84.09,10.95 L26.2
Net-(C80-Pad2): length 1.9
  1_top w0.2: C80.2 83.75,26.1 83.8,26.15
  1_top w0.3: 83.8,26.15 IC21.29